# Altium PCB Fastino-DIOT.PCBDOC (part 19 of 22)
Units mm, origin at the board's own origin, x right, y up, seen from the top; angles counter-clockwise.
Board outline 222.63 x 100.1 mm, 8 copper layers (L1, L2, L3, P4, L5, L6, P7, L8), stack 1.563 mm thick; 1030 components, 787 nets, 3312 pads, 2498 vias.
Unrouted connection lines stored in the file: 424.
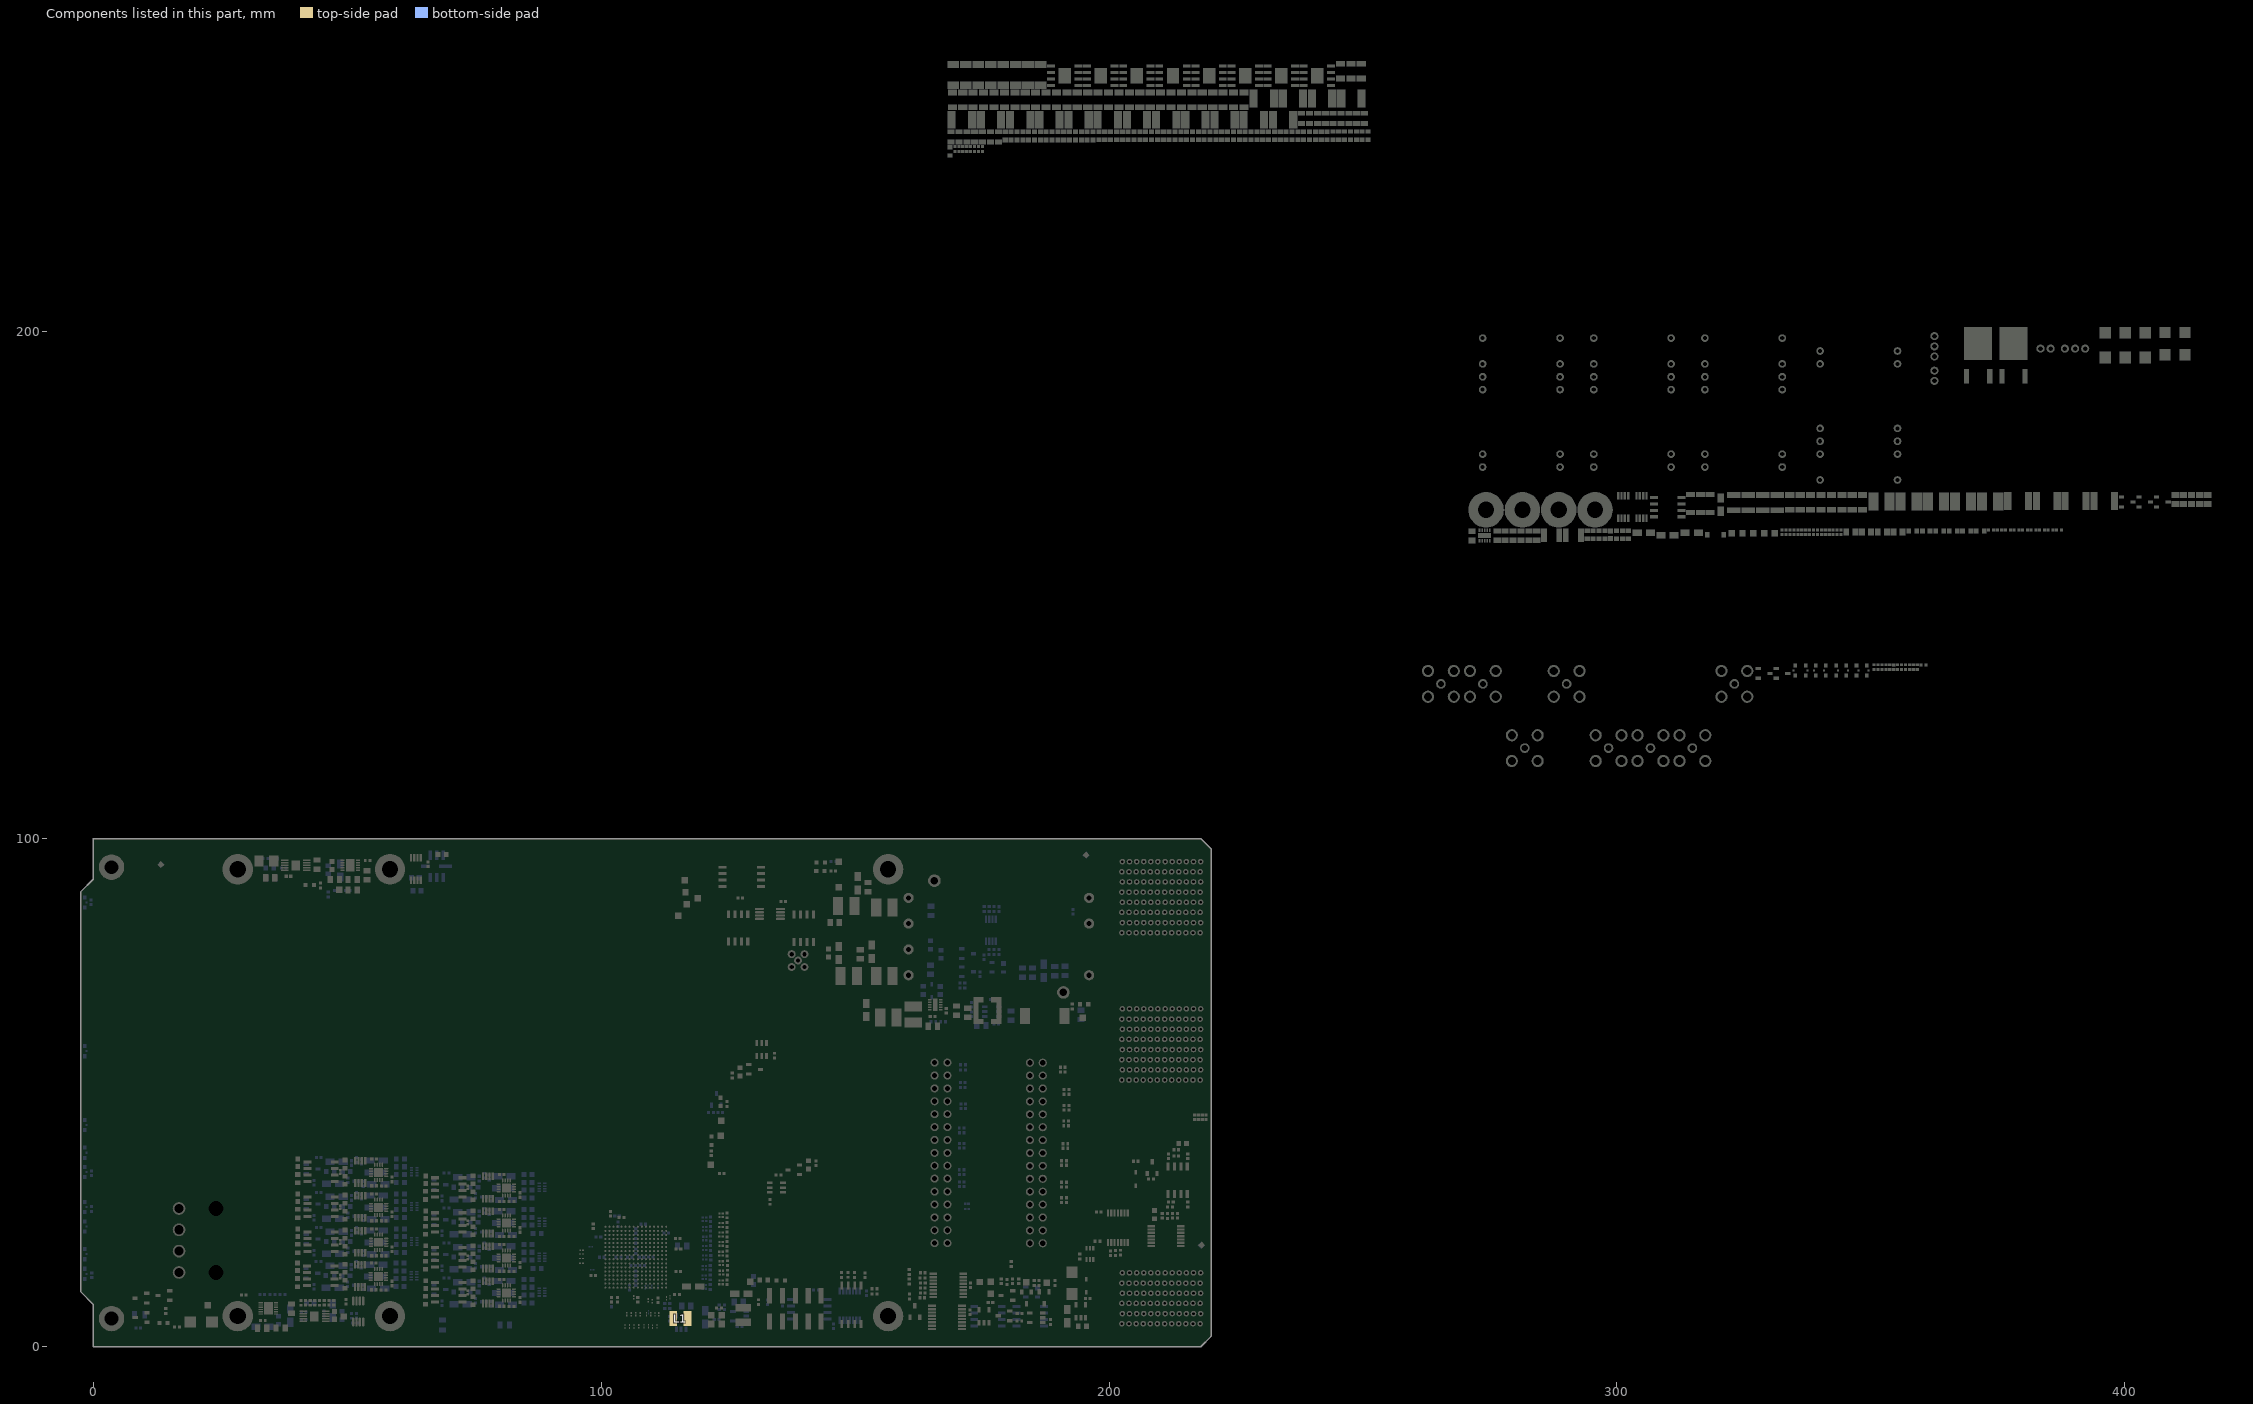
[diagram p25: the components of this part, seen from the top]

## Via types
v1: diameter 0.4, hole 0.2, L1 to L8, tented both sides, 1919 vias
v2: diameter 0.5, hole 0.2, L1 to L8, tented both sides, 270 vias
v3: diameter 0.4, hole 0.2, L1 to L8, 170 vias
v4: diameter 0.7, hole 0.4, L1 to L8, tented both sides, 110 vias
v5: diameter 0.7, hole 0.4, L1 to L8, 29 vias

## Nets (pads, with @x,y where several pads share a name; then routed paths per layer and width w, separated by ;. In a path a pad name is that pad's centre, name@x,y a point inside that pad or via, vN(x,y) a via of type N, cw(c..) or ccw(c..) an arc to the next point about the centre after c; other vN are vias at no path point) (continued)
copper on no net: (continued)
  L5 w0.127: 22.23,65.626 23.349,66.745 23.349,66.85 23.192,67.006 23.192,67.546 23.312,67.665 23.312,68.93 24.047,69.666 25.201,69.666 25.984,70.449 25.984,84.571 29.543,88.13 38.489,88.13 43.753,82.866 44.778,82.866 44.956,83.044 v2(45.039,83.044) ; 24.77,68.166 23.651,67.048 23.546,67.048 23.472,67.122 23.472,67.43 23.591,67.549 23.591,68.814 24.163,69.386 25.317,69.386 26.264,70.333 26.264,84.455 29.659,87.85 38.374,87.85 43.637,82.587 44.778,82.587 44.956,82.409 v2(45.039,82.409) ; v1@58.323,48.967 v1@58.399,48.967 ; v1@58.323,62.74 v1@58.399,62.74 ; v1@58.323,76.513 v1@58.399,76.513 ; v1@58.344,43.967 58.357,43.954 58.738,43.954 61.798,40.894 61.798,31.75 64.732,28.817 64.732,22.34 67.818,19.253 67.818,15.062 69.629,13.251 72.017,13.251 76.326,8.942 79.673,8.942 79.849,9.119 81.077,9.119 81.61,8.585 91.338,8.585 92.396,7.528 v1(92.396,5.588) ; v1@58.369,57.81 58.369,57.788 v1(58.374,57.784) 58.548,57.784 62.179,54.153 62.179,45.11 65.735,41.554 65.735,32.461 68.072,30.124 68.072,28.651 69.088,27.635 70.587,27.635 72.161,26.06 72.161,22.2 75.54,18.821 75.54,16.408 76.272,15.676 84.121,15.676 85.979,13.818 85.979,13.096 87.924,11.151 92.724,11.151 94.741,9.135 95.628,9.135 95.898,8.865 v1(95.91,8.865) ; v1@58.373,42.034 58.4,42.007 58.704,42.007 59.995,40.716 59.995,30.988 63.144,27.838 63.144,19.482 66.269,16.358 66.269,9.22 68.224,7.264 69.875,7.264 71.018,8.407 73.838,8.407 74.168,8.077 ; v1@58.374,54.995 58.374,53.818 59.309,52.883 59.309,44.45 62.89,40.869 62.89,31.623 65.456,29.058 65.456,23.012 68.656,19.812 68.656,17.196 69.672,16.18 70.231,16.18 72.802,13.609 73.348,13.609 73.47,13.487 73.482,13.487 74.27,12.7 77.991,12.7 79.876,10.815 82.646,10.815 82.855,11.024 84.582,11.024 85.806,9.8 88.174,9.8 89.135,8.839 92.83,8.839 94.643,7.026 98.352,7.026 98.984,7.659 v1(98.984,8.306) ; v1(58.374,56.539) 58.828,56.539 61.29,54.077 61.29,44.947 64.732,41.505 64.732,32.174 67.036,29.87 67.081,29.87 67.081,25.476 69.444,23.114 70.028,23.114 72.441,20.701 72.441,20.295 73.698,19.037 73.901,19.037 74.727,18.212 74.727,15.529 75.768,14.487 84.166,14.487 85.141,13.513 85.141,13.052 87.568,10.625 88.898,10.625 89.289,10.235 92.766,10.235 94.755,8.246 95.569,8.246 95.629,8.306 v1(97.13,8.306) ; v1(58.374,68.788) 59.868,67.294 59.868,57.582 63.11,54.34 63.11,45.348 66.777,41.681 66.777,32.69 69.571,29.896 70.18,29.896 72.593,27.483 72.593,27.026 73.025,26.594 73.025,25.497 72.915,25.387 72.915,22.64 76.151,19.403 78.174,19.403 80.051,17.526 82.55,17.526 82.88,17.856 83.871,17.856 84.582,17.145 84.582,16.205 86.843,13.945 86.843,13.005 88.29,11.557 v1(91.821,11.557) ; v1(58.374,69.652) 58.399,69.627 58.418,69.608 58.764,69.608 60.782,67.589 60.782,58.054 63.89,54.946 63.89,50.245 63.877,50.232 63.877,45.724 67.716,41.885 67.716,35.484 68.656,34.544 70.688,34.544 72.238,32.995 72.238,29.312 74.248,27.301 74.248,22.551 76.177,20.623 83.66,20.623 85.598,18.685 85.598,16.154 89.408,12.344 91.719,12.344 v1(91.77,12.294) ; v1(58.374,70.312) 59.38,70.312 61.976,67.716 61.976,59.207 64.758,56.426 64.758,46.208 68.631,42.335 68.631,37.846 69.672,36.805 70.485,36.805 72.695,34.595 72.695,33.579 73.126,33.148 73.126,32.294 72.862,32.03 72.862,30.236 74.803,28.296 74.803,23.165 76.505,21.463 83.922,21.463 86.411,18.974 86.411,16.764 90.043,13.132 91.694,13.132 v1(91.745,13.081) ; v1(58.374,71.557) 59.126,71.557 63.009,67.674 63.009,61.4 66.294,58.115 66.294,47.117 69.774,43.637 70.358,43.637 72.365,41.631 72.365,37.49 74.244,35.611 74.244,30.378 75.565,29.058 75.565,23.801 ; v1(58.374,82.562) 62.636,78.299 62.636,71.984 ; v1(58.374,83.425) 58.399,83.4 63.703,78.096 63.703,70.764 65.938,68.529 65.938,63.703 68.377,61.265 68.377,52.248 70.104,50.521 71.526,50.521 72.644,49.403 72.644,47.625 73.351,46.918 73.351,44.08 74.042,43.389 74.543,43.389 75.235,42.697 75.235,37.49 79.172,33.553 79.172,31.718 79.12,31.666 79.12,28.576 80.273,27.423 82.966,27.423 83.052,27.509 83.66,27.509 84.658,26.511 84.658,24.615 88.9,20.373 88.9,18.904 89.639,18.165 89.807,18.165 90.933,17.04 v1(92.558,17.04) ; v1(58.374,84.086) 61.456,84.086 65.557,79.985 65.557,70.51 67.513,68.555 67.513,63.779 69.063,62.23 70.917,62.23 72.365,60.782 72.365,51.156 73.965,49.555 73.965,45.491 79.502,39.954 79.502,38.075 79.12,37.693 79.12,35.958 79.502,35.576 79.502,34.493 80.536,33.459 80.536,32.323 80.26,32.047 80.26,29.316 81.271,28.305 83.868,28.305 85.42,26.753 85.42,24.957 89.185,21.193 89.185,20.313 91.591,17.907 v1(92.532,17.907) ; v1@58.381,85.33 63.488,85.33 67.259,81.559 67.259,70.739 68.986,69.012 71.196,69.012 72.441,67.767 72.441,64.567 74.778,62.23 74.778,50.902 79.4,46.279 79.4,44.907 81.041,43.267 81.041,35.073 81.57,34.544 81.57,29.453 81.82,29.204 84.411,29.204 86.157,27.457 86.157,25.543 90.424,21.276 90.424,20.301 91.955,18.771 v1(92.608,18.771) ; v1@58.397,42.72 58.931,42.72 60.858,40.792 60.858,31.605 63.851,28.613 63.851,20.223 66.954,17.12 66.954,12.319 70.051,9.222 ; v1@58.42,55.88 60.3,54 60.3,44.692 63.89,41.101 63.89,34.659 63.851,34.619 63.851,31.933 66.218,29.566 66.218,23.8 69.19,20.828 70.307,20.828 73.083,18.052 73.083,17.947 72.862,17.727 72.862,15.936 75.235,13.564 80.772,13.564 80.915,13.707 83.118,13.707 83.148,13.736 83.66,13.736 87.146,10.25 88.475,10.25 89.175,9.55 92.75,9.55 95.02,7.28 97.012,7.28 97.917,8.185 v1(97.917,8.255) ; v1@58.445,41.148 58.437,41.139 58.437,41.107 59.223,40.321 59.223,30.668 62.281,27.61 62.281,19.075 65.507,15.85 65.507,8.23 67.208,6.528 70.079,6.528 71.171,7.62 ; 62.636,71.958 62.636,69.367 64.389,67.615 64.389,63.779 64.872,63.297 64.872,62.382 67.412,59.842 67.412,50.317 69.342,48.387 70.485,48.387 72.314,46.558 72.314,43.891 74.777,41.428 74.777,36.475 75.564,35.688 75.564,30.364 ; 70.104,9.22 70.106,9.222 74.192,9.222 74.879,8.534 79.654,8.534 80.426,7.763 83.658,7.763 83.759,7.662 84.083,7.662 84.183,7.763 89.361,7.763 89.738,8.14 90.41,8.14 91.897,6.653 v1(91.897,5.334) ; 71.196,7.62 73.533,7.62 73.812,7.341 75.692,7.341 76.083,6.95 90.078,6.95 90.856,6.172 v1(90.856,5.613) ; 74.168,8.052 78.334,8.052 79.07,7.315 90.563,7.315 91.415,6.464 v1(91.415,5.613) ; 75.564,23.801 75.564,23.477 76.479,22.563 84.495,22.563 86.95,20.107 86.95,19.075 88.793,17.232 88.793,15.388 90.313,13.868 v1(91.745,13.868) ; 75.565,30.363 75.565,30.251 79.197,26.619 79.197,25.9 80.489,24.608 80.645,24.608 80.665,24.588 82.137,24.588 82.29,24.741 83.66,24.741 83.922,24.479 83.922,23.978 88.113,19.787 88.113,18.297 90.361,16.049 v1(92.554,16.049) ; v1@83.448,45.848 83.524,45.848 v1(83.499,45.873) v1@83.473,45.873 ; v1@83.448,73.377 83.524,73.377 v1(83.498,73.402) v1@83.473,73.402 ; v1@83.448,87.15 83.524,87.15 v1(83.498,87.176) v1@83.473,87.176 ; v1@83.499,38.098 v1@83.524,38.123 ; v1(83.499,38.123) v1@83.524,38.123 ; v1(83.499,38.987) 86.184,38.987 86.919,38.252 86.919,34.722 87.675,33.966 87.675,30.05 92.705,25.02 v1(92.705,24.751) ; v1(83.499,39.647) 87.581,39.647 89.002,38.227 89.002,29.723 93.095,25.63 93.095,24.589 92.48,23.974 v1(92.48,23.276) ; v1(83.499,40.892) 88.216,40.892 88.621,40.488 ; v1(83.499,51.896) 87.909,47.486 87.909,45.695 91.161,42.443 91.161,29.914 94.19,26.885 94.19,25.037 v1(93.743,24.589) ; v1(83.499,52.76) 85.873,52.76 86.157,52.476 ; v1(83.499,53.42) 86.61,53.42 92.634,47.396 92.634,30.516 95.495,27.655 95.495,26.015 95.385,25.904 95.385,24.963 95.86,24.488 96.04,24.488 96.515,24.012 96.515,23.688 v1(96.858,23.345) ; v1(83.499,54.665) 87.677,54.665 88.087,54.254 ; v1@83.499,58.758 v1@83.524,58.783 ; v1(83.499,65.67) 83.524,65.67 86.883,65.67 87.986,64.567 87.986,61.29 94.056,55.22 94.056,31.102 97.795,27.363 97.795,26.715 97.785,26.704 97.785,26.363 97.836,26.312 v1(97.836,25.027) ; v1(83.499,66.533) 88.083,66.533 91.548,63.068 91.897,63.068 97.917,57.048 97.917,30.886 97.909,30.879 97.909,27.608 98.175,27.343 v1(98.175,26.525) ; v1(83.499,67.194) v1@83.524,67.194 ; v1(83.499,68.438) 83.549,68.438 93.411,68.438 96.647,65.202 97.363,65.202 100.165,62.399 100.165,43.169 100.075,43.079 v1(100.075,26.55) ; v1(83.498,79.425) 88.519,79.425 93.599,74.345 93.599,71.831 94.894,70.536 97.53,70.536 100.605,67.461 100.605,26.105 100.559,26.059 100.559,24.522 v1(100.905,24.176) ; v1(83.498,80.289) 89.561,80.289 94.59,75.26 94.59,74.066 96.037,72.619 97.968,72.619 101.295,69.291 101.295,28.124 101.865,27.554 101.865,24.585 100.827,23.546 99.396,23.546 97.752,21.902 97.477,21.902 v1(97.425,21.85) ; v1(83.498,80.949) 91.237,80.949 94.742,77.445 96.672,77.445 97.536,76.581 97.547,76.581 98.222,75.906 98.222,74.32 102.921,69.621 103.563,69.621 104.89,68.295 104.89,28.94 103.386,27.436 103.386,25.211 101.251,23.076 v1(99.73,23.076) ; v1(83.498,82.194) 93.295,82.194 95.885,79.604 97.155,79.604 101.244,75.514 101.244,72.847 103.886,70.206 104.521,70.206 105.588,69.139 105.588,67.292 105.776,67.103 105.776,63.311 105.63,63.165 105.63,61.107 105.776,60.961 105.776,56.796 105.63,56.65 105.63,54.406 105.776,54.26 105.776,50.003 105.63,49.857 105.63,47.566 105.776,47.42 105.776,43.14 105.63,42.994 105.63,40.691 105.776,40.545 105.776,36.259 105.63,36.113 105.63,33.897 105.806,33.722 105.806,31.202 106.775,30.233 106.775,28.15 105.99,27.366 105.99,27.338 105.762,27.11 105.735,27.11 v1(105.325,26.7) ; v1@83.524,46.508 v1@83.524,46.559 ; v1@83.524,60.282 v1@83.524,60.332 ; v1@83.524,67.168 v1@83.524,67.194 ; v1@83.524,67.219 v1@83.524,67.194 ; v1@83.524,74.037 v1@83.524,74.088 ; v1@83.524,87.811 v1@83.524,87.861 ; v1@83.549,61.501 v1@83.549,61.526 ; v1@83.549,75.257 v1@83.549,75.282 ; 86.16,52.48 91.897,46.743 91.897,29.903 94.486,27.314 94.486,25.437 94.75,25.173 94.75,24.001 94.635,23.886 v1(94.635,22.641) ; 88.1,54.267 93.37,48.997 93.37,30.755 96.165,27.959 96.165,25.563 96,25.398 v1(96,24.9) ; 88.608,40.475 90.449,38.633 90.449,30.003 93.349,27.103 93.349,24.484 93.276,24.411 v1(93.276,23.947) ; v1(90.704,23.101) 90.704,25.224 85.192,30.737 85.192,37.643 84.711,38.123 v1@83.524,38.123 ; v1(99.156,26.652) 99.156,27.55 98.695,28.011 98.695,35.219 98.671,35.243 98.671,61.807 96.926,63.551 94.717,63.551 91.074,67.194 v1@83.524,67.194 ; v1(107.944,25.802) 108.509,26.367 110.294,26.367 111.047,27.119 111.047,27.222 113.479,29.654 113.479,36.227 113.494,36.243 113.494,36.792 113.321,36.965 113.321,39.154 111.75,40.725 111.75,52.029 v1@109.449,54.331 ; v1(109.125,26.786) 109.165,26.786 112.675,30.296 112.675,35.783 113.24,36.348 113.24,36.687 112.931,36.997 v1(112.931,38.427) ; v1@109.322,54.991 109.366,54.947 v1(109.374,54.947) 110.553,54.947 112.7,52.8 112.7,41.45 113.575,40.575 113.575,37.175 v1(113.9,36.85) ; v1@109.323,47.374 109.399,47.374 v1(109.374,47.4) v1@109.348,47.4 ; v1@109.323,74.921 109.399,74.921 v1(109.374,74.946) v1@109.348,74.946 ; v1(109.374,32.763) 110.3,31.837 110.3,30.15 108.721,28.571 108.721,27.946 107,26.225 107,25.575 108.032,24.543 109.518,24.543 110.608,25.633 112.349,25.633 112.757,25.225 v1(112.95,25.225) ; v1(109.374,33.627) 110.9,32.1 110.9,29.607 110.882,29.607 110.654,29.379 110.654,29.36 107.554,26.26 107.554,25.64 107.84,25.354 109.554,25.354 110.225,26.025 112.79,26.025 v1(113.555,25.259) ; v1(109.374,34.287) 108.983,33.897 108.983,32.601 109.775,31.809 109.775,30.8 108.4,29.425 108.4,28.1 106.5,26.2 106.5,25.475 107.85,24.125 109.679,24.125 110.308,24.753 v1(110.878,24.753) ; v1(109.374,35.532) 108.7,34.858 108.7,32.375 109.175,31.9 109.175,30.95 107.791,29.566 107.791,28.39 106.05,26.65 106.05,25.2 107.464,23.786 110.463,23.786 111.275,24.598 v1(111.275,25.243) ; v1@109.374,39.624 v1@109.399,39.65 ; v1@109.374,60.284 v1@109.399,60.309 ; v1(109.374,67.196) 110.414,66.156 110.414,62.687 114.415,58.686 114.415,36.059 113.99,35.634 113.99,32.749 114.795,31.944 114.795,31.567 114.827,31.535 114.827,31.027 114.665,30.865 v1(114.665,30.168) ; v1(109.374,68.72) 112.992,68.72 116.027,65.684 116.027,48.641 ; v1(109.374,69.965) 114.262,69.965 116.6,67.626 116.6,34.823 117.706,33.717 117.706,30.813 117.018,30.125 v1(116.575,30.125) ; v1@109.374,74.057 v1@109.399,74.083 ; v1(109.374,82.493) 112.482,82.493 115.9,79.075 115.9,75.464 117.125,74.239 117.125,70.275 118.86,68.54 118.86,38.263 119.609,37.514 119.609,33.166 121.245,31.53 121.245,31.424 121.174,31.353 121.174,30.445 121.35,30.269 121.35,29.725 119.963,28.338 118.861,28.338 116.989,26.466 v1(116.909,26.466) ; v1@109.399,41.148 v1@109.399,41.199 ; v1@109.399,75.581 v1@109.399,75.632 ; v1@109.404,81.833 111.492,81.833 115.3,78.025 115.3,75.1 116.525,73.875 116.525,70.013 118.141,68.398 118.141,37.159 119.175,36.125 119.175,32.377 120.871,30.681 120.871,29.865 119.599,28.592 118.483,28.592 116.38,26.489 v1(116.354,26.489) ; v1@109.417,56.191 111.423,56.191 113.829,53.786 113.829,38.096 v1(114.025,37.9) ; v1@109.423,53.416 109.423,53.373 110.388,52.408 110.388,39.096 112.85,36.635 v1(112.85,36.525) ; v1@109.424,42.367 v1@109.424,42.393 ; v1@109.424,49.254 v1@109.424,49.279 ; v1@109.424,56.141 v1@109.424,56.166 ; v1@109.424,76.8 v1@109.424,76.826 ; v1@109.424,83.712 109.45,83.738 113.462,83.738 116.625,80.575 116.625,75.475 117.725,74.375 117.725,70.275 119.4,68.6 119.4,63.775 119.525,63.65 119.525,52.9 119.863,52.562 119.863,38.012 120.05,37.825 120.05,34.65 122.05,32.65 122.05,29.093 120.272,27.316 118.688,27.316 118.46,27.087 118.46,26.703 118.465,26.697 118.465,26.313 118.237,26.084 117.891,26.084 v1(117.525,26.45) ; v1@109.429,80.969 110.267,80.969 112.446,78.791 112.446,75.946 115.824,72.568 115.824,69.551 117.36,68.015 117.36,35.168 117.96,34.567 117.96,30.708 116.986,29.734 116.662,29.734 115.69,28.763 115.69,28.44 115.846,28.284 115.846,27.015 115.037,26.205 v1(115.037,25.121) ; v1@109.449,68.047 109.462,68.06 112.169,68.06 114.771,65.458 114.771,32.327 115.049,32.049 115.049,31.673 115.106,31.615 115.106,30.486 v1(115.494,30.099) ; 116.027,48.59 116.027,35.571 115.409,34.953 115.409,33.488 115.656,33.242 115.738,33.242 116.029,32.952 116.029,32.534 116.076,32.486 116.076,32.163 116.029,32.115 v1(116.029,30.302)
  L5 w0.152: v1(12.962,65.337) 13.01,65.29 13.168,65.29 13.837,64.62 14.983,64.62 15.824,63.779 15.824,62.357 16.332,61.849 17.356,60.825 17.356,59.683 17.535,59.504 18.705,58.334 18.705,57.876 20.036,56.545 22.834,56.545 23.348,56.032 23.348,55.905 23.204,55.762 22.526,55.762 ; v1(13.366,65.71) 13.413,65.662 13.413,65.476 13.964,64.925 15.11,64.925 16.04,63.995 16.129,63.906 16.129,62.483 17.661,60.951 17.661,59.809 19.01,58.46 19.01,58.002 19.717,57.295 19.824,57.188 20.162,56.85 22.961,56.85 23.652,56.158 23.652,55.905 23.795,55.762 24.474,55.762 ; v1(19.304,84.036) 19.371,84.036 19.482,84.148 19.733,84.148 20.472,83.408 20.472,75.623 21.667,74.428 22.792,74.428 22.925,74.561 23.24,74.561 23.329,74.472 23.329,74.345 22.23,73.246 ; v1(19.304,84.563) 19.371,84.563 19.482,84.452 19.859,84.452 20.777,83.534 20.777,75.749 21.794,74.733 22.666,74.733 22.799,74.866 23.366,74.866 23.545,74.687 23.671,74.687 24.77,75.786 ; 22.23,55.466 23.258,55.466 23.348,55.377 23.348,54.826 24.139,54.035 24.317,53.856 25.535,53.856 27.66,55.981 27.66,80.924 28.727,81.991 37.883,81.991 44.187,75.688 44.779,75.688 44.945,75.523 v2(45.039,75.523) ; 24.77,55.466 23.742,55.466 23.652,55.377 23.652,54.952 23.692,54.912 23.954,54.65 24.444,54.161 25.409,54.161 27.355,56.107 27.355,81.05 28.601,82.296 38.009,82.296 44.313,75.992 44.779,75.992 44.945,76.158 v2(45.039,76.158) ; 33.992,73.246 35.092,74.345 35.092,74.472 35.002,74.561 34.688,74.561 34.452,74.325 33.546,74.325 32.914,73.693 32.914,72.799 33.603,72.111 39.303,72.111 42.308,69.106 44.779,69.106 44.945,69.271 v2(45.039,69.271) ; 36.532,75.786 35.433,74.687 35.307,74.687 35.129,74.866 34.561,74.866 34.325,74.63 33.419,74.63 32.609,73.819 32.609,72.673 33.476,71.806 39.177,71.806 42.182,68.801 44.779,68.801 44.945,68.636 v2(45.039,68.636) ; v1(37.989,51.562) 37.989,51.629 38.1,51.74 38.1,52.147 41.285,55.333 44.779,55.333 44.945,55.498 v2(45.039,55.498) ; v1(37.998,61.636) 38.065,61.636 38.176,61.747 41.579,61.747 41.746,61.914 44.779,61.914 44.945,61.749 v2(45.039,61.749) ; v1(37.998,62.163) 38.065,62.163 38.176,62.052 41.453,62.052 41.62,62.219 44.779,62.219 44.945,62.384 v2(45.039,62.384) ; v1(38.024,25.527) 37.976,25.574 37.976,25.731 37.71,25.998 37.71,26.377 41.123,29.789 41.123,39.395 43.241,41.513 44.753,41.513 44.918,41.679 v2(45.013,41.679) ; v1(38.396,25.9) 38.349,25.947 38.192,25.947 38.015,26.124 38.015,26.25 41.427,29.663 41.427,39.268 43.368,41.209 44.753,41.209 44.918,41.044 v2(45.013,41.044) ; 38.44,31.445 38.44,42.452 44.434,48.446 44.779,48.446 44.945,48.611 v2(45.039,48.611) ; v1(38.516,51.562) 38.516,51.629 38.405,51.74 38.405,52.021 41.412,55.028 44.779,55.028 44.945,54.863 v2(45.039,54.863) ; 38.744,31.445 38.744,42.326 44.56,48.141 44.779,48.141 44.945,47.976 v2(45.039,47.976)
  L5 w0.381: v1(157.25,13.75) 157.25,13.755 157.27,13.775 157.27,38.075